# KiCad board RP2040_Fullsize.kicad_pcb
title: Echo BB Keyboard RP2040; date: 2025-01-26; rev: 1.0; company: Michael O'Toole; note: Echo ENR2
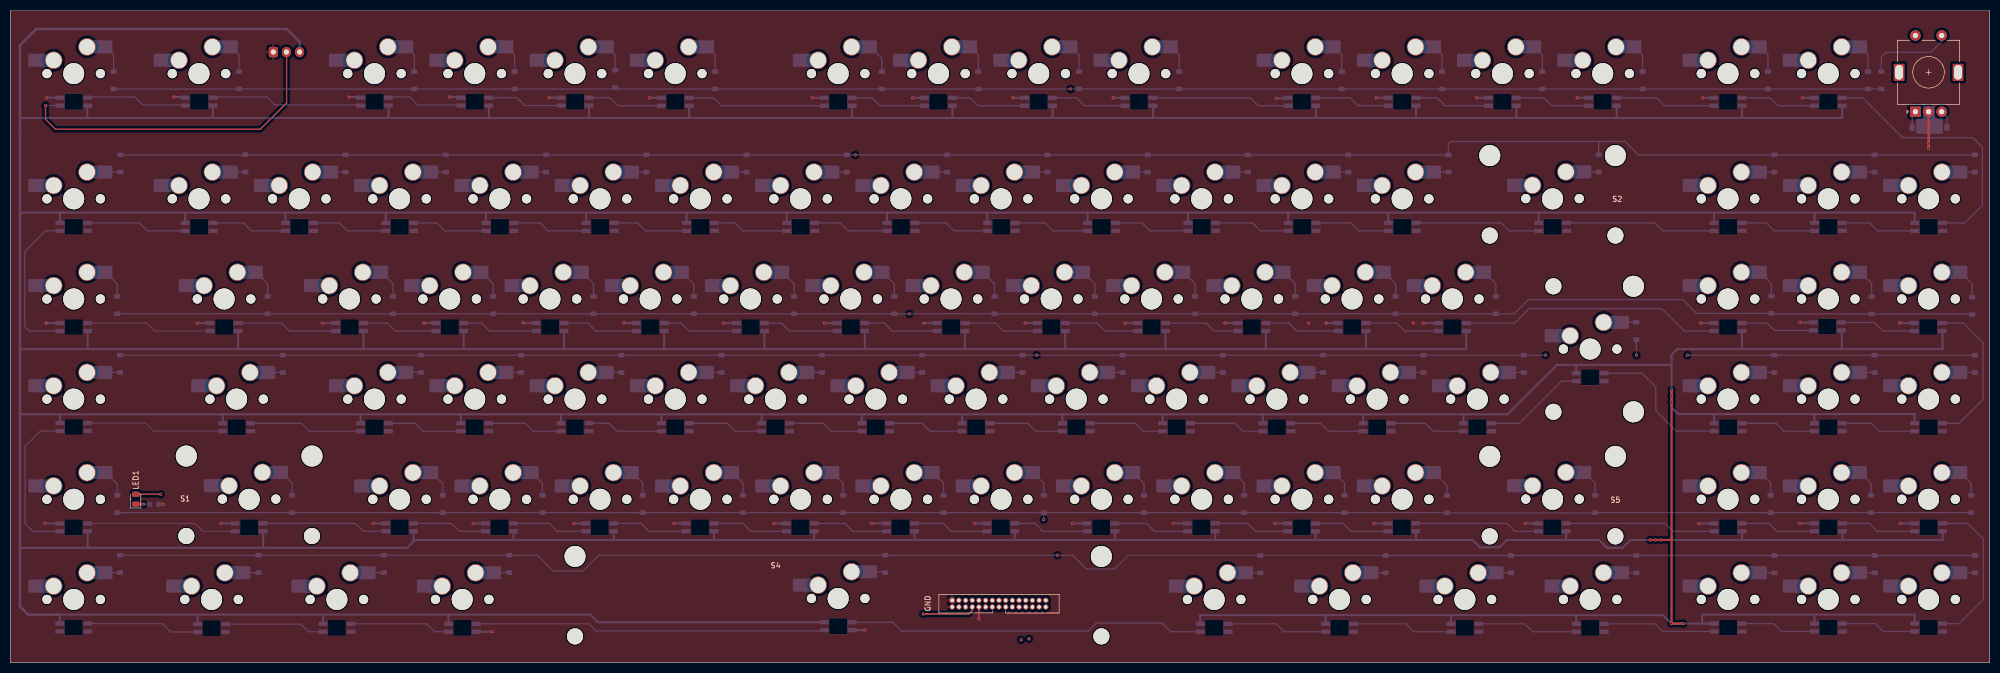
[diagram p0: board, top side]
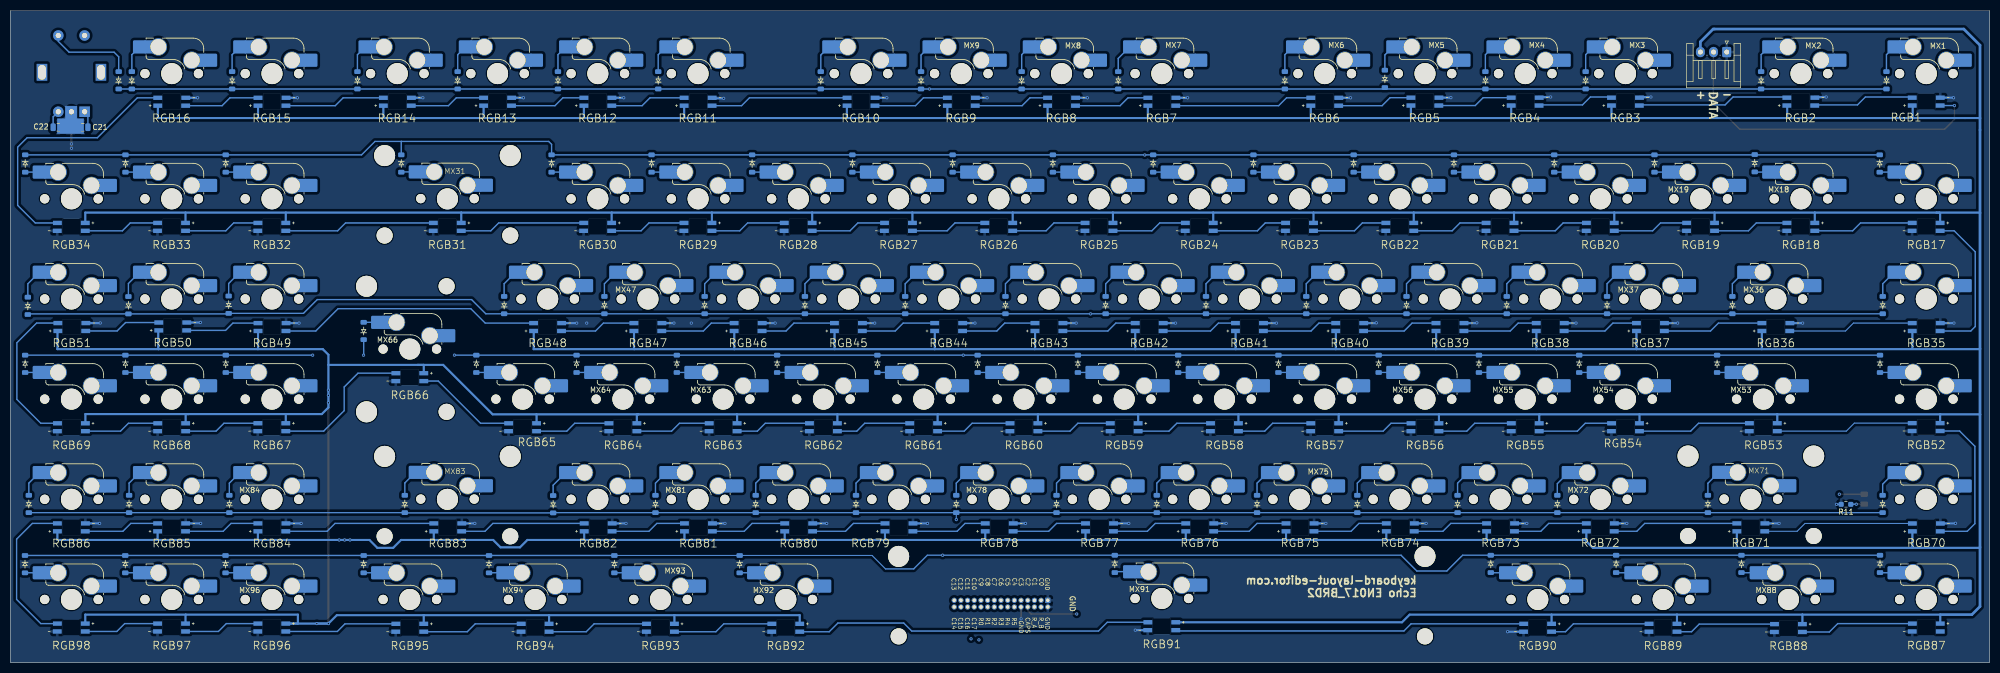
[diagram p1: board, bottom side, seen from below]

Outline 376 x 124 mm; copper layers: Top, In1.Cu, In2.Cu, Bottom. Coordinates in mm from the lower left corner of the outline.
Outline path: 0,124 0,0 376,0 376,124 0,124
Stack: Top 0.035mm / dielectric 0.1mm FR4 er 4.5 / In1.Cu 0.035mm / dielectric 1.24mm FR4 er 4.5 / In2.Cu 0.035mm / dielectric 0.1mm FR4 er 4.5 / Bottom 0.035mm

## Placement (name value [footprint] x y rotation side)
C21  10n  [C_0805_2012Metric]  362.25 101.8 0 bottom
C22  10n  [C_0805_2012Metric]  366.95 101.8 180 bottom
D1  4148  [Diode_SOD-123]  19.57 110.73 90 bottom
D2  4148  [Diode_SOD-123]  43.39 110.73 90 bottom
D3  4148  [Diode_SOD-123]  76.73 110.73 90 bottom
D4  4148  [Diode_SOD-123]  95.78 110.73 90 bottom
D5  4148  [Diode_SOD-123]  114.88 111 90 bottom
D6  4148  [Diode_SOD-123]  133.88 110.73 90 bottom
D7  4148  [Diode_SOD-123]  165.54 110.73 90 bottom
D8  4148  [Diode_SOD-123]  183.88 110.73 90 bottom
D9  4148  [Diode_SOD-123]  203 110.73 90 bottom
D10  4148  [Diode_SOD-123]  222.05 110.73 90 bottom
D11  4148  [Diode_SOD-123]  252.94 110.73 90 bottom
D12  4148  [Diode_SOD-123]  271.99 110.73 90 bottom
D13  4148  [Diode_SOD-123]  291.04 110.73 90 bottom
D14  4148  [Diode_SOD-123]  310.09 110.73 90 bottom
D15  4148  [Diode_SOD-123]  333.9 110.73 90 bottom
D16  4148  [Diode_SOD-123]  352.95 110.73 90 bottom
D17  4148  [Diode_SOD-123]  20.85 94.9 270 bottom
D18  4148  [Diode_SOD-123]  44.6 94.95 270 bottom
D19  4148  [Diode_SOD-123]  63.65 94.9 270 bottom
D20  4148  [Diode_SOD-123]  82.7 94.9 270 bottom
D21  4148  [Diode_SOD-123]  101.75 94.9 270 bottom
D22  4148  [Diode_SOD-123]  120.8 94.9 270 bottom
D23  4148  [Diode_SOD-123]  139.85 94.9 270 bottom
D24  4148  [Diode_SOD-123]  158.9 94.9 270 bottom
D25  4148  [Diode_SOD-123]  177.95 94.9 270 bottom
D26  4148  [Diode_SOD-123]  197 94.9 270 bottom
D27  4148  [Diode_SOD-123]  216.05 94.9 270 bottom
D28  4148  [Diode_SOD-123]  235.1 94.9 270 bottom
D29  4148  [Diode_SOD-123]  254.2 94.9 270 bottom
D30  4148  [Diode_SOD-123]  273.2 94.9 270 bottom
D31  4148  [Diode_SOD-123]  301.76 94.9 270 bottom
D32  4148  [Diode_SOD-123]  335.11 94.9 270 bottom
D33  4148  [Diode_SOD-123]  354.16 94.9 270 bottom
D34  4148  [Diode_SOD-123]  373.21 94.9 270 bottom
D35  4148  [Diode_SOD-123]  20.28 67.98 90 bottom
D36  4148  [Diode_SOD-123]  48.85 67.98 90 bottom
D37  4148  [Diode_SOD-123]  72.66 67.98 90 bottom
D38  4148  [Diode_SOD-123]  91.71 67.98 90 bottom
D39  4148  [Diode_SOD-123]  110.76 67.98 90 bottom
D40  4148  [Diode_SOD-123]  129.81 67.98 90 bottom
D41  4148  [Diode_SOD-123]  148.86 67.98 90 bottom
D42  4148  [Diode_SOD-123]  167.92 67.98 90 bottom
D43  4148  [Diode_SOD-123]  186.96 67.98 90 bottom
D44  4148  [Diode_SOD-123]  206.01 67.98 90 bottom
D45  4148  [Diode_SOD-123]  225.06 67.98 90 bottom
D46  4148  [Diode_SOD-123]  244.11 67.98 90 bottom
D47  4148  [Diode_SOD-123]  263.16 67.98 90 bottom
D48  4148  [Diode_SOD-123]  282.21 67.98 90 bottom
D49  4148  [Diode_SOD-123]  334.55 68.05 90 bottom
D50  4148  [Diode_SOD-123]  353.6 67.95 90 bottom
D51  4148  [Diode_SOD-123]  372.71 67.83 90 bottom
D52  4148  [Diode_SOD-123]  20.8 56.8 270 bottom
D53  4148  [Diode_SOD-123]  51.76 56.8 270 bottom
D54  4148  [Diode_SOD-123]  77.95 56.8 270 bottom
D55  4148  [Diode_SOD-123]  97 56.8 270 bottom
D56  4148  [Diode_SOD-123]  116.05 56.8 270 bottom
D57  4148  [Diode_SOD-123]  135.1 56.8 270 bottom
D58  4148  [Diode_SOD-123]  154.15 56.8 270 bottom
D59  4148  [Diode_SOD-123]  173.2 56.8 270 bottom
D60  4148  [Diode_SOD-123]  192.25 56.8 270 bottom
D61  4148  [Diode_SOD-123]  211.3 56.8 270 bottom
D62  4148  [Diode_SOD-123]  230.35 56.8 270 bottom
D63  4148  [Diode_SOD-123]  249.4 56.8 270 bottom
D64  4148  [Diode_SOD-123]  268.45 56.8 270 bottom
D65  4148  [Diode_SOD-123]  287.5 56.8 270 bottom
D66  4148  [Diode_SOD-123]  308.9 63.05 90 bottom
D67  4148  [Diode_SOD-123]  335.1 56.8 270 bottom
D68  4148  [Diode_SOD-123]  354.18 56.8 270 bottom
D69  4148  [Diode_SOD-123]  373.22 56.8 270 bottom
D70  4148  [Diode_SOD-123]  20.3 30.15 90 bottom
D71  4148  [Diode_SOD-123]  53.5 30.15 90 bottom
D72  4148  [Diode_SOD-123]  82.11 30.15 90 bottom
D73  4148  [Diode_SOD-123]  101.06 30.15 90 bottom
D74  4148  [Diode_SOD-123]  120.11 30.15 90 bottom
D75  4148  [Diode_SOD-123]  139.16 30.15 90 bottom
D76  4148  [Diode_SOD-123]  158.21 30.15 90 bottom
D77  4148  [Diode_SOD-123]  177.26 30.15 90 bottom
D78  4148  [Diode_SOD-123]  196.31 30.15 90 bottom
D79  4148  [Diode_SOD-123]  215.36 30.15 90 bottom
D80  4148  [Diode_SOD-123]  234.41 30.15 90 bottom
D81  4148  [Diode_SOD-123]  253.46 30.15 90 bottom
D82  4148  [Diode_SOD-123]  272.9 30.1 90 bottom
D83  4148  [Diode_SOD-123]  301.09 30.15 90 bottom
D84  4148  [Diode_SOD-123]  334.43 30.15 90 bottom
D85  4148  [Diode_SOD-123]  353.47 30.15 90 bottom
D86  4148  [Diode_SOD-123]  372.52 30.15 90 bottom
D87  4148  [Diode_SOD-123]  20.8 18.75 270 bottom
D88  4148  [Diode_SOD-123]  47.12 18.75 270 bottom
D89  4148  [Diode_SOD-123]  70.94 18.75 270 bottom
D90  4148  [Diode_SOD-123]  94.75 18.75 270 bottom
D91  4148  [Diode_SOD-123]  166.19 18.75 270 bottom
D92  4148  [Diode_SOD-123]  237.46 18.7 270 bottom
D93  4148  [Diode_SOD-123]  261.27 18.7 270 bottom
D94  4148  [Diode_SOD-123]  285.09 18.7 270 bottom
D95  4148  [Diode_SOD-123]  308.9 18.7 270 bottom
D96  4148  [Diode_SOD-123]  335.15 18.7 270 bottom
D97  4148  [Diode_SOD-123]  354.2 18.7 270 bottom
D98  4148  [Diode_SOD-123]  373.25 18.7 270 bottom
D99  4148  [Diode_SOD-123]  355.45 110.73 90 bottom
J1  Conn_02x15_Odd_Even  [IDC_2X15_1.27MM]  187.81 11.19 0 bottom
J2  RGB_CON  [JST_EH_S3B-EH_1x03_P2.50mm_Horizontal]  49.92 116.1 0 bottom
LED1  CAPS  [LED_0805_2012Metric]  23.8 31.06 90 top
MX1  MX_SW_HS  [SW_MX_HS_CPG151101S11_1u]  12 112 180 bottom
MX2  MX_SW_HS  [SW_MX_HS_CPG151101S11_1u]  35.81 112 180 bottom
MX3  MX_SW_HS  [SW_MX_HS_CPG151101S11_1u]  69.15 112 180 bottom
MX4  MX_SW_HS  [SW_MX_HS_CPG151101S11_1u]  88.2 112 180 bottom
MX5  MX_SW_HS  [SW_MX_HS_CPG151101S11_1u]  107.25 112 180 bottom
MX6  MX_SW_HS  [SW_MX_HS_CPG151101S11_1u]  126.3 112 180 bottom
MX7  MX_SW_HS  [SW_MX_HS_CPG151101S11_1u]  157.26 112 180 bottom
MX8  MX_SW_HS  [SW_MX_HS_CPG151101S11_1u]  176.31 112 180 bottom
MX9  MX_SW_HS  [SW_MX_HS_CPG151101S11_1u]  195.36 112 180 bottom
MX10  MX_SW_HS  [SW_MX_HS_CPG151101S11_1u]  214.41 112 180 bottom
MX11  MX_SW_HS  [SW_MX_HS_CPG151101S11_1u]  245.36 112 180 bottom
MX12  MX_SW_HS  [SW_MX_HS_CPG151101S11_1u]  264.41 112 180 bottom
MX13  MX_SW_HS  [SW_MX_HS_CPG151101S11_1u]  283.46 112 180 bottom
MX14  MX_SW_HS  [SW_MX_HS_CPG151101S11_1u]  302.51 112 180 bottom
MX15  MX_SW_HS  [SW_MX_HS_CPG151101S11_1u]  326.32 112 180 bottom
MX16  MX_SW_HS  [SW_MX_HS_CPG151101S11_1u]  345.38 112 180 bottom
MX17  MX_SW_HS  [SW_MX_HS_CPG151101S11_1u]  12 88.19 180 bottom
MX18  MX_SW_HS  [SW_MX_HS_CPG151101S11_1u]  35.81 88.19 180 bottom
MX19  MX_SW_HS  [SW_MX_HS_CPG151101S11_1u]  54.86 88.19 180 bottom
MX20  MX_SW_HS  [SW_MX_HS_CPG151101S11_1u]  73.91 88.19 180 bottom
MX21  MX_SW_HS  [SW_MX_HS_CPG151101S11_1u]  92.96 88.19 180 bottom
MX22  MX_SW_HS  [SW_MX_HS_CPG151101S11_1u]  112.01 88.19 180 bottom
MX23  MX_SW_HS  [SW_MX_HS_CPG151101S11_1u]  131.06 88.19 180 bottom
MX24  MX_SW_HS  [SW_MX_HS_CPG151101S11_1u]  150.11 88.19 180 bottom
MX25  MX_SW_HS  [SW_MX_HS_CPG151101S11_1u]  169.16 88.19 180 bottom
MX26  MX_SW_HS  [SW_MX_HS_CPG151101S11_1u]  188.21 88.19 180 bottom
MX27  MX_SW_HS  [SW_MX_HS_CPG151101S11_1u]  207.26 88.19 180 bottom
MX28  MX_SW_HS  [SW_MX_HS_CPG151101S11_1u]  226.31 88.19 180 bottom
MX29  MX_SW_HS  [SW_MX_HS_CPG151101S11_1u]  245.36 88.19 180 bottom
MX30  MX_SW_HS  [SW_MX_HS_CPG151101S11_1u]  264.41 88.19 180 bottom
MX31  MX_SW_HS  [SW_MX_HS_CPG151101S11_2u]  292.99 88.19 180 bottom
MX32  MX_SW_HS  [SW_MX_HS_CPG151101S11_1u]  326.32 88.19 180 bottom
MX33  MX_SW_HS  [SW_MX_HS_CPG151101S11_1u]  345.38 88.19 180 bottom
MX34  MX_SW_HS  [SW_MX_HS_CPG151101S11_1u]  364.43 88.19 180 bottom
MX35  MX_SW_HS  [SW_MX_HS_CPG151101S11_1u]  12 69.14 180 bottom
MX36  MX_SW_HS  [SW_MX_HS_CPG151101S11_1.75u]  40.58 69.14 180 bottom
MX37  MX_SW_HS  [SW_MX_HS_CPG151101S11_1u]  64.39 69.14 180 bottom
MX38  MX_SW_HS  [SW_MX_HS_CPG151101S11_1u]  83.44 69.14 180 bottom
MX39  MX_SW_HS  [SW_MX_HS_CPG151101S11_1u]  102.49 69.14 180 bottom
MX40  MX_SW_HS  [SW_MX_HS_CPG151101S11_1u]  121.54 69.14 180 bottom
MX41  MX_SW_HS  [SW_MX_HS_CPG151101S11_1u]  140.59 69.14 180 bottom
MX42  MX_SW_HS  [SW_MX_HS_CPG151101S11_1u]  159.64 69.14 180 bottom
MX43  MX_SW_HS  [SW_MX_HS_CPG151101S11_1u]  178.69 69.14 180 bottom
MX44  MX_SW_HS  [SW_MX_HS_CPG151101S11_1u]  197.74 69.14 180 bottom
MX45  MX_SW_HS  [SW_MX_HS_CPG151101S11_1u]  216.79 69.14 180 bottom
MX46  MX_SW_HS  [SW_MX_HS_CPG151101S11_1u]  235.84 69.14 180 bottom
MX47  MX_SW_HS  [SW_MX_HS_CPG151101S11_1u]  254.89 69.14 180 bottom
MX48  MX_SW_HS  [SW_MX_HS_CPG151101S11_1u]  273.94 69.14 180 bottom
MX49  MX_SW_HS  [SW_MX_HS_CPG151101S11_1u]  326.32 69.14 180 bottom
MX50  MX_SW_HS  [SW_MX_HS_CPG151101S11_1u]  345.38 69.14 180 bottom
MX51  MX_SW_HS  [SW_MX_HS_CPG151101S11_1u]  364.43 69.14 180 bottom
MX52  MX_SW_HS  [SW_MX_HS_CPG151101S11_1u]  12 50.09 180 bottom
MX53  MX_SW_HS  [SW_MX_HS_CPG151101S11_1.75u]  42.96 50.09 180 bottom
MX54  MX_SW_HS  [SW_MX_HS_CPG151101S11_1u]  69.15 50.09 180 bottom
MX55  MX_SW_HS  [SW_MX_HS_CPG151101S11_1u]  88.2 50.09 180 bottom
MX56  MX_SW_HS  [SW_MX_HS_CPG151101S11_1u]  107.25 50.09 180 bottom
MX57  MX_SW_HS  [SW_MX_HS_CPG151101S11_1u]  126.3 50.09 180 bottom
MX58  MX_SW_HS  [SW_MX_HS_CPG151101S11_1u]  145.35 50.09 180 bottom
MX59  MX_SW_HS  [SW_MX_HS_CPG151101S11_1u]  164.4 50.09 180 bottom
MX60  MX_SW_HS  [SW_MX_HS_CPG151101S11_1u]  183.45 50.09 180 bottom
MX61  MX_SW_HS  [SW_MX_HS_CPG151101S11_1u]  202.5 50.09 180 bottom
MX62  MX_SW_HS  [SW_MX_HS_CPG151101S11_1u]  221.55 50.09 180 bottom
MX63  MX_SW_HS  [SW_MX_HS_CPG151101S11_1u]  240.6 50.09 180 bottom
MX64  MX_SW_HS  [SW_MX_HS_CPG151101S11_1u]  259.65 50.09 180 bottom
MX65  MX_SW_HS  [SW_MX_HS_CPG151101S11_1u]  278.7 50.09 180 bottom
MX66  MX_SW_HS  [SW_MX_HS_CPG151101S11_1u]  300.13 59.61 180 bottom
MX67  MX_SW_HS  [SW_MX_HS_CPG151101S11_1u]  326.32 50.09 180 bottom
MX68  MX_SW_HS  [SW_MX_HS_CPG151101S11_1u]  345.38 50.09 180 bottom
MX69  MX_SW_HS  [SW_MX_HS_CPG151101S11_1u]  364.43 50.09 180 bottom
MX70  MX_SW_HS  [SW_MX_HS_CPG151101S11_1u]  12 31.04 180 bottom
MX71  MX_SW_HS  [SW_MX_HS_CPG151101S11_2u]  45.34 31.04 180 bottom
MX72  MX_SW_HS  [SW_MX_HS_CPG151101S11_1u]  73.91 31.04 180 bottom
MX73  MX_SW_HS  [SW_MX_HS_CPG151101S11_1u]  92.96 31.04 180 bottom
MX74  MX_SW_HS  [SW_MX_HS_CPG151101S11_1u]  112.01 31.04 180 bottom
MX75  MX_SW_HS  [SW_MX_HS_CPG151101S11_1u]  131.06 31.04 180 bottom
MX76  MX_SW_HS  [SW_MX_HS_CPG151101S11_1u]  150.11 31.04 180 bottom
MX77  MX_SW_HS  [SW_MX_HS_CPG151101S11_1u]  169.16 31.04 180 bottom
MX78  MX_SW_HS  [SW_MX_HS_CPG151101S11_1u]  188.21 31.04 180 bottom
MX79  MX_SW_HS  [SW_MX_HS_CPG151101S11_1u]  207.26 31.04 180 bottom
MX80  MX_SW_HS  [SW_MX_HS_CPG151101S11_1u]  226.31 31.04 180 bottom
MX81  MX_SW_HS  [SW_MX_HS_CPG151101S11_1u]  245.36 31.04 180 bottom
MX82  MX_SW_HS  [SW_MX_HS_CPG151101S11_1u]  264.41 31.04 180 bottom
MX83  MX_SW_HS  [SW_MX_HS_CPG151101S11_2u]  292.99 31.04 180 bottom
MX84  MX_SW_HS  [SW_MX_HS_CPG151101S11_1u]  326.32 31.04 180 bottom
MX85  MX_SW_HS  [SW_MX_HS_CPG151101S11_1u]  345.38 31.04 180 bottom
MX86  MX_SW_HS  [SW_MX_HS_CPG151101S11_1u]  364.43 31.04 180 bottom
MX87  MX_SW_HS  [SW_MX_HS_CPG151101S11_1u]  12 11.99 180 bottom
MX88  MX_SW_HS  [SW_MX_HS_CPG151101S11_1.25u]  38.19 11.99 180 bottom
MX89  MX_SW_HS  [SW_MX_HS_CPG151101S11_1.25u]  62.01 11.99 180 bottom
MX90  MX_SW_HS  [SW_MX_HS_CPG151101S11_1.25u]  85.82 11.99 180 bottom
MX91  MX_SW_HS  [SW_MX_HS_CPG151101S11_1u]  157.26 12.18 180 bottom
MX92  MX_SW_HS  [SW_MX_HS_CPG151101S11_1.25u]  228.69 11.99 180 bottom
MX93  MX_SW_HS  [SW_MX_HS_CPG151101S11_1.25u]  252.51 11.99 180 bottom
MX94  MX_SW_HS  [SW_MX_HS_CPG151101S11_1.25u]  276.32 11.99 180 bottom
MX95  MX_SW_HS  [SW_MX_HS_CPG151101S11_1.25u]  300.13 11.99 180 bottom
MX96  MX_SW_HS  [SW_MX_HS_CPG151101S11_1u]  326.32 11.99 180 bottom
MX97  MX_SW_HS  [SW_MX_HS_CPG151101S11_1u]  345.38 11.99 180 bottom
MX98  MX_SW_HS  [SW_MX_HS_CPG151101S11_1u]  364.43 11.99 180 bottom
R11  1K  [R_0603_1608Metric_Pad0.98x0.95mm_HandSolder]  27.27 30.08 0 bottom
RGB1  -  [SK6812-E]  12.03 106.68 0 bottom
RGB2  -  [SK6812-E]  35.85 106.68 0 bottom
RGB3  -  [SK6812-E]  69.17 106.68 0 bottom
RGB4  -  [SK6812-E]  88.23 106.68 0 bottom
RGB5  -  [SK6812-E]  107.27 106.68 0 bottom
RGB6  -  [SK6812-E]  126.3 106.65 0 bottom
RGB7  -  [SK6812-E]  157.26 106.65 0 bottom
RGB8  -  [SK6812-E]  176.31 106.65 0 bottom
RGB9  -  [SK6812-E]  195.36 106.65 0 bottom
RGB10  -  [SK6812-E]  214.41 106.65 0 bottom
RGB11  -  [SK6812-E]  245.36 106.65 0 bottom
RGB12  -  [SK6812-E]  264.41 106.65 0 bottom
RGB13  -  [SK6812-E]  283.46 106.65 0 bottom
RGB14  -  [SK6812-E]  302.51 106.65 0 bottom
RGB15  -  [SK6812-E]  326.32 106.65 0 bottom
RGB16  -  [SK6812-E]  345.38 106.65 0 bottom
RGB17  -  [SK6812-E]  12.03 82.85 180 bottom
RGB18  -  [SK6812-E]  35.84 82.85 180 bottom
RGB19  -  [SK6812-E]  54.89 82.85 180 bottom
RGB20  -  [SK6812-E]  73.94 82.85 180 bottom
RGB21  -  [SK6812-E]  92.99 82.85 180 bottom
RGB22  -  [SK6812-E]  112.04 82.85 180 bottom
RGB23  -  [SK6812-E]  131.09 82.85 180 bottom
RGB24  -  [SK6812-E]  150.14 82.85 180 bottom
RGB25  -  [SK6812-E]  169.19 82.85 180 bottom
RGB26  -  [SK6812-E]  188.24 82.85 180 bottom
RGB27  -  [SK6812-E]  207.29 82.85 180 bottom
RGB28  -  [SK6812-E]  226.34 82.85 180 bottom
RGB29  -  [SK6812-E]  245.39 82.85 180 bottom
RGB30  -  [SK6812-E]  264.44 82.85 180 bottom
RGB31  -  [SK6812-E]  293.01 82.85 180 bottom
RGB32  -  [SK6812-E]  326.35 82.85 180 bottom
RGB33  -  [SK6812-E]  345.4 82.85 180 bottom
RGB34  -  [SK6812-E]  364.45 82.85 180 bottom
RGB35  -  [SK6812-E]  12.03 63.8 0 bottom
RGB36  -  [SK6812-E]  40.6 63.8 0 bottom
RGB37  -  [SK6812-E]  64.42 63.8 0 bottom
RGB38  -  [SK6812-E]  83.46 63.8 0 bottom
RGB39  -  [SK6812-E]  102.51 63.8 0 bottom
RGB40  -  [SK6812-E]  121.56 63.8 0 bottom
RGB41  -  [SK6812-E]  140.61 63.8 0 bottom
RGB42  -  [SK6812-E]  159.66 63.8 0 bottom
RGB43  -  [SK6812-E]  178.71 63.8 0 bottom
RGB44  -  [SK6812-E]  197.76 63.8 0 bottom
RGB45  -  [SK6812-E]  216.81 63.8 0 bottom
RGB46  -  [SK6812-E]  235.86 63.8 0 bottom
RGB47  -  [SK6812-E]  254.91 63.8 0 bottom
RGB48  -  [SK6812-E]  273.96 63.8 0 bottom
RGB49  -  [SK6812-E]  326.32 63.8 0 bottom
RGB50  -  [SK6812-E]  345.18 63.91 0 bottom
RGB51  -  [SK6812-E]  364.36 63.81 0 bottom
RGB52  -  [SK6812-E]  12.03 44.78 180 bottom
RGB53  -  [SK6812-E]  42.97 44.75 180 bottom
RGB54  -  [SK6812-E]  69.15 44.74 180 bottom
RGB55  -  [SK6812-E]  88.2 44.74 180 bottom
RGB56  -  [SK6812-E]  107.25 44.74 180 bottom
RGB57  -  [SK6812-E]  126.3 44.74 180 bottom
RGB58  -  [SK6812-E]  145.35 44.74 180 bottom
RGB59  -  [SK6812-E]  164.4 44.74 180 bottom
RGB60  -  [SK6812-E]  183.45 44.74 180 bottom
RGB61  -  [SK6812-E]  202.5 44.74 180 bottom
RGB62  -  [SK6812-E]  221.55 44.74 180 bottom
RGB63  -  [SK6812-E]  240.6 44.74 180 bottom
RGB64  -  [SK6812-E]  259.65 44.74 180 bottom
RGB65  -  [SK6812-E]  278.7 44.74 180 bottom
RGB66  -  [SK6812-E]  300.13 54.27 180 bottom
RGB67  -  [SK6812-E]  326.35 44.75 180 bottom
RGB68  -  [SK6812-E]  345.38 44.74 180 bottom
RGB69  -  [SK6812-E]  364.43 44.74 180 bottom
RGB70  -  [SK6812-E]  12 25.69 0 bottom
RGB71  -  [SK6812-E]  45.35 25.7 0 bottom
RGB72  -  [SK6812-E]  73.95 25.7 0 bottom
RGB73  -  [SK6812-E]  92.9 25.7 0 bottom
RGB74  -  [SK6812-E]  111.95 25.7 0 bottom
RGB75  -  [SK6812-E]  131 25.7 0 bottom
RGB76  -  [SK6812-E]  150.05 25.7 0 bottom
RGB77  -  [SK6812-E]  169.1 25.7 0 bottom
RGB78  -  [SK6812-E]  188.15 25.7 0 bottom
RGB79  -  [SK6812-E]  207.2 25.7 0 bottom
RGB80  -  [SK6812-E]  226.25 25.7 0 bottom
RGB81  -  [SK6812-E]  245.3 25.7 0 bottom
RGB82  -  [SK6812-E]  264.35 25.7 0 bottom
RGB83  -  [SK6812-E]  292.93 25.7 0 bottom
RGB84  -  [SK6812-E]  326.35 25.7 0 bottom
RGB85  -  [SK6812-E]  345.4 25.7 0 bottom
RGB86  -  [SK6812-E]  364.45 25.7 0 bottom
RGB87  -  [SK6812-E]  12 6.65 180 bottom
RGB88  -  [SK6812-E]  38.19 6.55 180 bottom
RGB89  -  [SK6812-E]  62.03 6.6 180 bottom
RGB90  -  [SK6812-E]  85.85 6.6 180 bottom
RGB91  -  [SK6812-E]  157.26 6.9 180 bottom
RGB92  -  [SK6812-E]  228.7 6.6 180 bottom
RGB93  -  [SK6812-E]  252.51 6.6 180 bottom
RGB94  -  [SK6812-E]  276.32 6.6 180 bottom
RGB95  -  [SK6812-E]  300.14 6.6 180 bottom
RGB96  -  [SK6812-E]  326.35 6.65 180 bottom
RGB97  -  [SK6812-E]  345.4 6.65 180 bottom
RGB98  -  [SK6812-E]  364.45 6.65 180 bottom
ROTARY1  Volume/RGB  [RotaryEncoder_Alps_EC11E-Switch_Vertical_H20mm]  361.93 104.75 90 top
S1  MX_stab  [Stabilizer_MX_2.00u]  45.34 31.04 180 top
S2  MX_stab  [Stabilizer_MX_2.00u]  292.99 88.19 180 top
S3  MX_stab  [Stabilizer_MX_2.00u]  300.13 59.61 90 top
S4  MX_stab  [Stabilizer_MX_6.25u]  157.26 11.95 180 top
S5  MX_stab  [Stabilizer_MX_2.00u]  292.99 30.98 180 top

## Library data of the parts
C21 C22 = -: Description: Unpolarized capacitor, small symbol; ki_fp_filters: C_*
D1-D99 = -: Description: Diode, small symbol; Sim.Device: D; Sim.Pins: 1=K 2=A; ki_fp_filters: TO-???* *_Diode_* *SingleDiode* D_*
J1 = -: Description: Generic connector, double row, 02x15, odd/even pin numbering scheme (row 1 odd numbers, row 2 even numbers), script generated (kicad-library-utils/schlib/autogen/connector/); ki_fp_filters: Connector*:*_2x??_*
J2 = -: Description: Generic connector, single row, 01x03, script generated; LCSC: C263754; MANF#: S3B-EH(LF)(SN); ki_fp_filters: Connector*:*_1x??_*
LED1 = -: Description: Light emitting diode, small symbol, filled shape; ki_fp_filters: LED* LED_SMD:* LED_THT:*
MX1-MX86 MX88-MX98 = -: Description: Push button switch, normally open, two pins, 45° tilted, Kailh CPG151101S11 for Cherry MX style switches
MX87 = -: Description: Push button switch, normally open, two pins, 45° tilted, Gateron KS-2P02B01-01 for Cherry MX style switches
R11 = -: Description: Resistor, small symbol; ki_fp_filters: R_*
RGB1 = -: Datasheet: C5149201; Description: RGB LED with integrated controllerBackMount
RGB2-RGB98 = -: Datasheet: C5149201; Description: RGB LED with integrated controller
ROTARY1 = -: Description: Rotary encoder, dual channel, incremental quadrate outputs, with switch; ki_fp_filters: RotaryEncoder*Switch*
S1-S5 = -: Description: Cherry MX-style stabilizer

## Footprints (pads in the part's own frame, mm; a bottom-side part is the same pattern mirrored in y, then rotated)
C_0805_2012Metric
  rrect 1x1.45 smd: 1(-0.95,0) 2(0.95,0)
Diode_SOD-123
  rrect 0.9x1.2 smd: 1(-1.65,0) 2(1.65,0)
IDC_2X15_1.27MM
  rect 1x1 hole 0.65: 1(-8.89,-0.635)
  oval 1x1 hole 0.65: 2(-8.89,0.635) 3(-7.62,-0.635) 4(-7.62,0.635) 5(-6.35,-0.635) 6(-6.35,0.635) 7(-5.08,-0.635) 8(-5.08,0.635) 9(-3.81,-0.635) 10(-3.81,0.635) 11(-2.54,-0.635) 12(-2.54,0.635) 13(-1.27,-0.635) 14(-1.27,0.635) 15(0,-0.635) 16(0,0.635) 17(1.27,-0.635) 18(1.27,0.635) 19(2.54,-0.635) 20(2.54,0.635) 21(3.81,-0.635) 22(3.81,0.635) 23(5.08,-0.635) 24(5.08,0.635) 25(6.35,-0.635) 26(6.35,0.635) 27(7.62,-0.635) 28(7.62,0.635) 29(8.89,-0.635) 30(8.89,0.635)
JST_EH_S3B-EH_1x03_P2.50mm_Horizontal
  rrect 1.7x1.95 hole 0.95: 1(0,0)
  oval 1.7x1.95 hole 0.95: 2(2.5,0) 3(5,0)
LED_0805_2012Metric
  rrect 0.975x1.4 smd: 1(-0.938,0) 2(0.938,0)
R_0603_1608Metric_Pad0.98x0.95mm_HandSolder
  rrect 0.975x0.95 smd: 1(-0.912,0) 2(0.912,0)
RotaryEncoder_Alps_EC11E-Switch_Vertical_H20mm
  rect 3.2x2 hole 2.8x1.5 unplated: (7.5,3.1) (7.5,-8.1)
  rect 2x2 hole 1: A(0,0)
  round 2 hole 1: B(0,-5) C(0,-2.5) S1(14.5,-5) S2(14.5,0)
SK6812-E
  rect 1.675x0.82 smd: 1(2.65,0.75) 2(2.65,-0.75) 3(-2.675,-0.75) 4(-2.65,0.75)
Stabilizer_MX_2.00u
  round 3.048 hole 3.048 unplated: (-11.938,6.985) (11.938,6.985)
  round 3.988 hole 3.988 unplated: (-11.938,-8.225) (11.938,-8.225)
Stabilizer_MX_6.25u
  round 3.048 hole 3.048 unplated: (-50,6.985) (50,6.985)
  round 3.988 hole 3.988 unplated: (-50,-8.225) (50,-8.225)
SW_MX_HS_CPG151101S11_1.25u
  round 1.75 hole 1.75 unplated: (-5.08,0) (5.08,0)
  round 3.988 hole 3.988 unplated: (0,0)
  round 3.3 hole 3: 1(3.81,2.54) 2(-2.54,5.08)
  rect 1.65x2.5 smd: 1(5.635,2.54) 2(-4.34,5.08)
  rrect 2.55x2.5 smd: 1(7.36,2.54) 2(-6.09,5.08)
SW_MX_HS_CPG151101S11_1.75u
  round 1.75 hole 1.75 unplated: (-5.08,0) (5.08,0)
  round 3.988 hole 3.988 unplated: (0,0)
  round 3.3 hole 3: 1(3.81,2.54) 2(-2.54,5.08)
  rect 1.65x2.5 smd: 1(5.635,2.54) 2(-4.34,5.08)
  rrect 2.55x2.5 smd: 1(7.36,2.54) 2(-6.09,5.08)
SW_MX_HS_CPG151101S11_1u
  round 1.75 hole 1.75 unplated: (-5.08,0) (5.08,0)
  round 3.988 hole 3.988 unplated: (0,0)
  round 3.3 hole 3: 1(3.81,2.54) 2(-2.54,5.08)
  rect 1.65x2.5 smd: 1(5.635,2.54) 2(-4.34,5.08)
  rrect 2.55x2.5 smd: 1(7.36,2.54) 2(-6.09,5.08)
SW_MX_HS_CPG151101S11_2u
  round 1.75 hole 1.75 unplated: (-5.07,0.04) (5.09,0.04)
  round 3.988 hole 3.988 unplated: (0,-0.01)
  round 3.3 hole 3: 1(3.82,2.58) 2(-2.53,5.12)
  rect 1.65x2.5 smd: 1(5.645,2.58) 2(-4.33,5.12)
  rrect 2.55x2.5 smd: 1(7.37,2.58) 2(-6.08,5.12)
